# Allegro board NewTMR-March-2-2026.brd (continued)
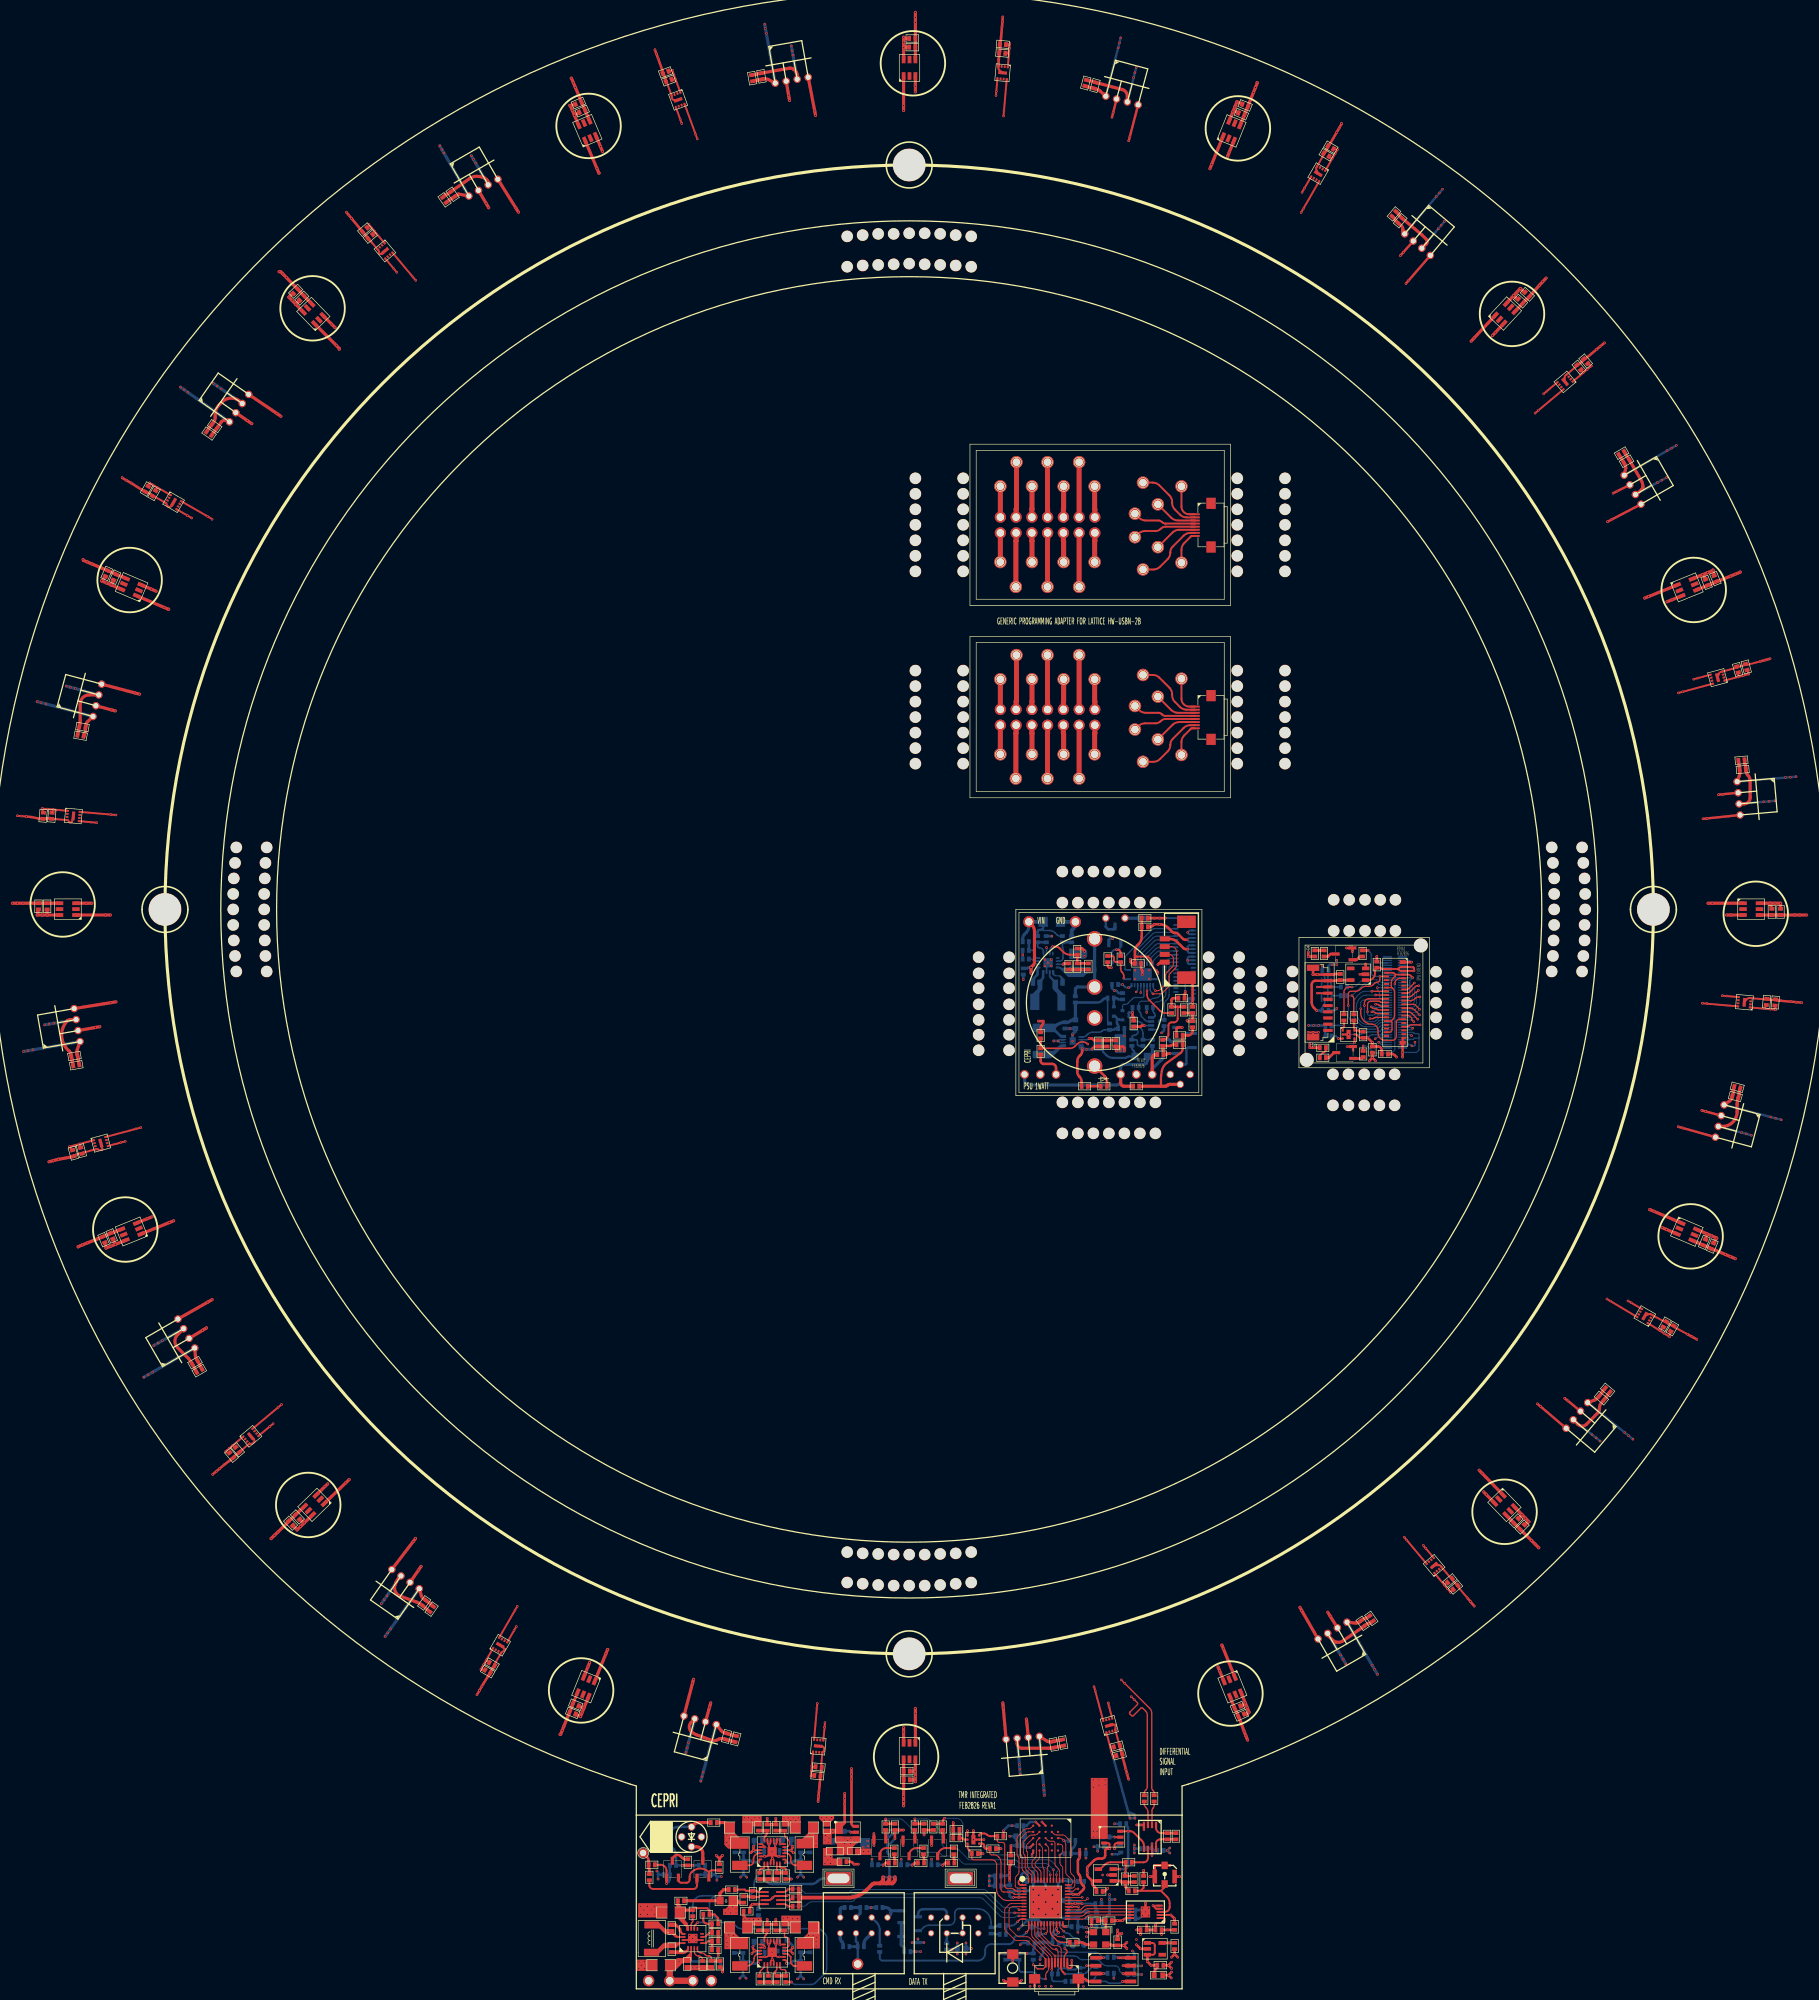
[diagram p0: board, top side]
## Placement (name value [footprint] x y rotation side) (continued)
NOREF#145  -  [unnamed]  151.6 162.5 0 top
NOREF#146  -  [unnamed]  165.1 136.7 0 top
NOREF#147  -  [unnamed]  244 182.8 0 top
NOREF#148  -  [unnamed]  188.7 155 0 top
NOREF#149  -  [unnamed]  135.4 63.9 0 top
NOREF#150  -  [unnamed]  141.4 198.8 0 top
NOREF#151  -  [unnamed]  248.9 182.8 0 top
NOREF#152  -  [unnamed]  36.5 167.8 0 top
NOREF#153  -  [unnamed]  193.6 162.5 0 top
NOREF#154  -  [unnamed]  177.6 141.7 0 top
NOREF#155  -  [unnamed]  197.2 157.8 0 top
NOREF#156  -  [unnamed]  141.4 237.3 0 top
NOREF#157  -  [unnamed]  36.5 177.8 0 top
NOREF#158  -  [unnamed]  132.9 281.5 0 top
NOREF#159  -  [unnamed]  188.7 157.5 0 top
NOREF#160  -  [unnamed]  201 196.3 0 top
NOREF#161  -  [unnamed]  140.4 276.9 0 top
NOREF#162  -  [unnamed]  147.9 281.5 0 top
NOREF#163  -  [unnamed]  193.6 155 0 top
NOREF#164  -  [unnamed]  197.2 152.8 0 top
NOREF#165  -  [unnamed]  167.6 173.9 0 top
NOREF#166  -  [unnamed]  36.4 175.3 0 top
NOREF#167  -  [unnamed]  130.4 281.3 0 top
NOREF#168  -  [unnamed#2]  260.4 172.8 0 top
NOREF#169  -  [unnamed]  202.2 160.3 0 top
NOREF#170  -  [unnamed]  156.5 155 0 top
NOREF#171  -  [unnamed]  213.9 174.35 0 top
NOREF#172  -  [unnamed#3]  204.5 148.55 0 top
NOREF#173  -  [unnamed]  130.4 276.4 0 top
NOREF#174  -  [unnamed]  249.3 170.3 0 top
NOREF#175  -  [unnamed]  193.3 198.8 0 top
NOREF#176  -  [unnamed]  135.4 276.7 0 top
NOREF#177  -  [unnamed]  31.4 170.3 0 top
NOREF#178  -  [unnamed]  208.85 174.35 0 top
NOREF#179  -  [unnamed]  188.7 152.6 0 top
NOREF#180  -  [unnamed]  167.6 136.7 0 top
NOREF#181  -  [unnamed]  225.35 157.75 0 top
NOREF#182  -  [unnamed]  149.1 237.3 0 top
NOREF#183  -  [unnamed]  141.4 232.3 0 top
NOREF#184  -  [unnamed]  141.4 242.3 0 top
NOREF#185  -  [unnamed]  225.35 160.25 0 top
NOREF#186  -  [unnamed]  142.9 63.8 0 top
NOREF#187  -  [unnamed]  216.23 146.22 0 top
NOREF#188  -  [unnamed]  211.35 169.35 0 top
NOREF#189  -  [unnamed]  180.1 141.7 0 top
NOREF#190  -  [unnamed]  149.1 198.8 0 top
NOREF#191  -  [unnamed]  193.3 239.8 0 top
NOREF#192  -  [unnamed]  230.35 162.75 0 top
NOREF#193  -  [unnamed]  165.1 141.7 0 top
NOREF#194  -  [unnamed#2]  140.4 292.8 0 top
NOREF#195  -  [unnamed]  193.3 227.3 0 top
NOREF#196  -  [unnamed]  193.3 211.3 0 top
NOREF#197  -  [unnamed]  137.9 281.7 0 top
NOREF#198  -  [unnamed]  156.5 160.1 0 top
NOREF#199  -  [unnamed]  244.3 167.8 0 top
NOREF#200  -  [unnamed]  36.4 170.3 0 top
NOREF#201  -  [unnamed]  249.3 167.8 0 top
NOREF#202  -  [unnamed]  156.5 165.1 0 top
NOREF#203  -  [unnamed]  170.1 136.7 0 top
NOREF#204  -  [unnamed]  167.6 141.7 0 top
NOREF#205  -  [unnamed]  145.4 68.9 0 top
NOREF#206  -  [unnamed#2]  140.4 52.8 0 top
NOREF#207  -  [unnamed]  188.7 165.1 0 top
NOREF#208  -  [unnamed]  31.5 167.8 0 top
NOREF#209  -  [unnamed]  208.85 169.35 0 top
NOREF#210  -  [unnamed]  149.1 229.8 0 top
NOREF#211  -  [unnamed]  218.8 169.35 0 top
NOREF#212  -  [unnamed]  31.9 182.8 0 top
NOREF#213  -  [unnamed]  130.4 64.3 0 top
NOREF#214  -  [unnamed]  248.9 162.8 0 top
NOREF#215  -  [unnamed]  193.3 234.8 0 top
NOREF#216  -  [unnamed]  172.6 136.7 0 top
NOREF#217  -  [unnamed]  149.1 242.3 0 top
NOREF#218  -  [unnamed]  211.23 141.22 0 top
NOREF#219  -  [unnamed]  156.5 150.1 0 top
NOREF#220  -  [unnamed]  132.9 69 0 top
NOREF#221  -  [unnamed]  147.9 64.1 0 top
NOREF#222  -  [unnamed]  201 211.3 0 top
NOREF#223  -  [unnamed]  145.4 276.7 0 top
NOREF#224  -  [unnamed]  135.4 281.7 0 top
NOREF#225  -  [unnamed]  218.68 146.22 0 top
NOREF#226  -  [unnamed]  36.6 180.3 0 top
NOREF#227  -  [unnamed]  213.78 141.22 0 top
NOREF#228  -  [unnamed]  36.8 182.8 0 top
NOREF#229  -  [unnamed]  225.35 162.75 0 top
NOREF#230  -  [unnamed]  193.6 150.1 0 top
NOREF#231  -  [unnamed#4]  217.52 165.06 270 bottom
NOREF#232  -  [unnamed#4]  219.94 150.52 270 bottom
NOREF#233  -  [unnamed#4]  219.94 165.06 270 bottom
NOREF#234  -  [unnamed#4]  217.52 150.52 270 bottom
Q1  MMBT2222ALT1G  [SOT-23-3]  137.1 23.3 180 top
Q2  MMBT2222ALT1G  [SOT-23-3]  141.8 23.3 180 top
Q3  MMBT2222ALT1G  [SOT-23-3]  146.4 23.3 180 top
Q4  BFR93AWH6327  [SOT23-3]  100.8 16.3 0 top
Q5  BFR93AWH6327  [SOT23-3]  105.7 16.3 0 top
Q6  BFR93AWH6327  [SOT23-3]  142.25 8.65 270 bottom
Q7  T2N7002BK  [SOT23-3]  138.7 9 90 bottom
Q8  BFR93AWH6327  [SOT23-3]  186.6 155.2 270 bottom
Q9  BFR93AWH6327  [SOT23-3]  183 149.1 90 bottom
Q10  T2N7002BK  [SOT23-3]  175 166.9 180 bottom
Q11  MMBT2222ALT1G  [SOT-23-3]  212.3 164.2 90 top
Q12  MMBT2222ALT1G  [SOT-23-3]  212.4 148.3 90 top
R1  0R  [R0402_SMT]  178.3 30 270 top
R2  0R  [R0402_SMT]  179.9 30 270 top
R3  0R  [R0402_SMT]  109.4 25.6 180 top
R4  1K  [R0402_SMT]  136.6 25.4 270 top
R5  6.8K  [R0402_SMT]  138.1 25.4 270 top
R6  1K  [R0402_SMT]  141.3 25.4 270 top
R7  6.8K  [R0402_SMT]  142.8 25.4 270 top
R8  6.8K  [R0402_SMT]  144.3 25.4 270 top
R9  1K  [R0402_SMT]  145.8 25.4 270 top
R10  10R  [R0402_SMT]  117.5 24.29 90 top
R11  0R  [R0402_SMT]  118.9 25.3 270 top
R12  DNP  [R0402_SMT]  120.3 24.29 90 top
R13  0R  [R0402_SMT]  127.1 25.3 270 top
R14  10K  [R0402_SMT]  154.6 23.4 0 top
R15  DNI  [R0402_SMT]  182 22.9 90 top
R16  DNI  [R0402_SMT]  183.4 22.9 90 top
R17  10K  [R0402_SMT]  153.4 21.4 0 top
R18  20K  [R0402_SMT]  138 21.5 270 top
R19  20K  [R0402_SMT]  142.7 21.5 270 top
R20  20K  [R0402_SMT]  147.6 21.5 270 top
R21  10K  [R0402_SMT]  150.5 20.6 0 top
R22  DNI  [R0402_SMT]  104.7 18.7 90 top
R23  20K  [R0402_SMT]  175.3 19.2 0 top
R24  DNI  [R0402_SMT]  98.4 18.8 0 top
R25  0R  [R0402_SMT]  109.8 17.9 90 top
R26  10K  [R0402_SMT]  116.3 17.5 270 top
R27  10K  [R0402_SMT]  117.7 17.5 270 top
R28  DNI  [R0402_SMT]  119.1 17.5 270 top
R29  0R  [R0402_SMT]  120.5 17.5 270 top
R30  510  [R0402_SMT]  98.5 17.3 270 top
R31  120K  [R0402_SMT]  175.2 16 90 top
R32  10K  [R0402_SMT]  121.6 14.9 0 top
R33  68R  [R0402_SMT]  112.3 14.8 180 top
R34  20R  [R0402_SMT]  175.8 14.6 0 top
R35  10K  [R0402_SMT]  121.6 13.5 0 top
R36  68R  [R0402_SMT]  113.7 13.7 270 top
R37  160mR  [R0805_SMT]  109.9 13 0 top
R38  0R  [R0402_SMT]  104.1 13 180 top
R39  10K  [R0402_SMT]  121.6 12.1 0 top
R40  100K  [R0402_SMT]  105.5 11.5 270 top
R41  0R  [R0402_SMT]  172.1 9.8 0 top
R42  DNP  [R0402_SMT]  170.8 9.8 180 top
R43  470K  [R0402_SMT]  109.6 9.3 180 top
R44  10R  [R0402_SMT]  117.5 8.2 90 top
R45  0R  [R0402_SMT]  118.9 9.21 270 top
R46  DNP  [R0402_SMT]  120.3 8.2 90 top
R47  143K  [R0402_SMT]  108.6 7.9 0 top
R48  110K  [R0402_SMT]  108.6 6.5 0 top
R49  33R  [R0402_SMT]  166.3 6.3 0 top
R50  470K  [R0402_SMT]  109.6 5.1 180 top
R51  432K  [R0402_SMT]  108.5 3.31 270 top
R52  1M  [R0402_SMT]  109.9 2.31 90 top
R53  10K  [R0402_SMT]  116.3 0.9 270 top
R54  10K  [R0402_SMT]  117.7 0.9 270 top
R55  DNI  [R0402_SMT]  119.1 0.9 270 top
R56  0R  [R0402_SMT]  120.5 0.9 270 top
R57  4.7K  [R0402_SMT]  166.2 22.7 0 bottom
R58  120K  [R0402_SMT]  122.9 20.8 90 bottom
R59  154K  [R0402_SMT]  113.7 20.8 90 bottom
R60  4.7K  [R0402_SMT]  165.5 20.6 0 bottom
R61  48K  [R0402_SMT]  122.9 18.5 90 bottom
R62  49.9K  [R0402_SMT]  113.7 18.5 90 bottom
R63  DNI  [R0402_SMT]  106.5 18.71 0 bottom
R64  DNI  [R0402_SMT]  102.8 18.7 180 bottom
R65  DNI  [R0402_SMT]  107.5 17.21 0 bottom
R66  DNI  [R0402_SMT]  101.8 17.2 180 bottom
R67  220R  [R0402_SMT]  139.6 4.8 0 bottom
R68  100R  [R0402_SMT]  169.1 11.2 270 bottom
R69  3K  [R0402_SMT]  156 9 180 bottom
R70  0R  [R0402_SMT]  153.6 7.7 90 bottom
R71  0R  [R0402_SMT]  108.6 6.5 0 bottom
R72  49.9K  [R0402_SMT]  122.9 4.7 90 bottom
R73  124K  [R0402_SMT]  113.6 4.6 90 bottom
R74  DNI  [R0402_SMT]  109.6 5.1 180 bottom
R75  2.2K  [R0402_SMT]  160.4 4.5 270 bottom
R76  10K  [R0402_SMT]  158.1 4.5 270 bottom
R77  2K  [R0402_SMT]  133.1 5.6 180 bottom
R78  10K  [R0402_SMT]  172.4 3.91 0 bottom
R79  51R  [R0402_SMT]  146.45 5.15 90 bottom
R80  1K  [R0402_SMT]  135.65 5.75 270 bottom
R81  100K  [R0402_SMT]  122.9 2.3 90 bottom
R82  100K  [R0402_SMT]  113.6 2.2 90 bottom
R83  10K  [R0402_SMT]  175.7 2.5 0 bottom
R84  0R  [R0402_SMT]  170.5 1.3 90 bottom
R85  DNI  [R0402_SMT]  167.9 1.2 90 bottom
R86  10K  [R0402_SMT]  172.4 1.3 0 bottom
R87  0R  [R0402_SMT]  163.4 1.2 0 bottom
R88  10K  [R0402_SMT]  175.7 1.1 0 bottom
R89  DNI  [R0402_SMT]  166.6 0 180 bottom
R90  10K  [R0402_SMT]  179.7 157 180 bottom
R91  0R  [R0402_SMT]  170.3 163.1 180 bottom
R92  0  [R0402_SMT]  167.2 157.8 90 bottom
R93  10K  [R0402_SMT]  177.4 157 180 bottom
R94  10K  [R0402_SMT]  181.5 155 270 bottom
R95  68R  [R0402_SMT]  176.3 151.8 270 bottom
R96  DNI  [R0402_SMT]  165.1 168.5 270 bottom
R97  470K  [R0402_SMT]  161.1 168.5 270 bottom
R98  1M  [R0402_SMT]  158.7 167.6 0 bottom
R99  470K  [R0402_SMT]  167.5 163.1 90 top
R100  DNI  [R0402_SMT]  161.6 152 90 top
R101  10K  [R0402_SMT]  172.4 158.5 0 bottom
R102  1M  [R0402_SMT]  172.3 151.7 270 top
R103  160mR  [R0805_SMT]  176.8 149.1 0 bottom
R104  DNI  [R0402_SMT]  172.7 153.4 90 bottom
R105  20K  [R0402_SMT]  169.2 144.3 180 top
R106  143K  [R0402_SMT]  167.5 165.5 90 top
R107  100K  [R0402_SMT]  166.1 163.1 90 top
R108  0  [R0402_SMT]  161.6 149.4 90 top
R109  0R  [R0402_SMT]  166.6 167.5 90 bottom
R110  110K  [R0402_SMT]  162.5 167.5 90 bottom
R111  432K  [R0402_SMT]  159.7 166.2 180 bottom
R112  68R  [R0402_SMT]  179.6 151.8 270 bottom
R113  4.3K  [R0402_SMT]  174.8 158.3 90 bottom
R114  100K  [R0402_SMT]  175.1 153.6 180 bottom
R115  309K  [R0402_SMT]  173.7 150.7 90 top
R116  0R  [R0402_SMT]  176.5 144.3 0 top
R117  DNI  [R0402_SMT]  186.1 153.8 90 top
R118  DNI  [R0402_SMT]  184.5 152.5 180 top
R119  DNI  [R0402_SMT]  184.5 151 180 top
R120  DNI  [R0402_SMT]  182.7 156.1 90 top
R121  DNI  [R0402_SMT]  184.7 157.1 270 top
R122  510  [R0402_SMT]  181.3 150.8 90 top
R123  DNI  [R0402_SMT]  184.8 158.5 180 top
R124  DNI  [R0402_SMT]  186.1 156.1 90 top
R125  DNI  [R0402_SMT]  181.4 149.4 180 top
R126  0R  [R0402_SMT]  181.3 151.8 270 bottom
R127  20R  [R0402_SMT]  177.5 171.4 0 bottom
R128  470R  [R0402_SMT]  174.5 165.3 270 top
R129  0R  [R0402_SMT]  173 165.3 270 bottom
R130  0R  [R0402_SMT]  177.9 170 0 top
R131  DNI  [R0402_SMT]  177.9 171.4 0 top
R132  20K  [R0402_SMT]  207.3 165.2 90 top
R133  20K  [R0402_SMT]  207.6 148.9 180 top
R134  1K  [R0402_SMT]  213.5 166.21 270 top
R135  10K  [R0402_SMT]  208.5 154.1 180 bottom
R136  10K  [R0402_SMT]  208.5 152.4 180 bottom
R137  1K  [R0402_SMT]  213.6 150 270 top
R138  10K  [R0402_SMT]  213.6 153.1 270 top
R139  0R  [R0402_SMT]  210 158.9 0 bottom
R140  0R  [R0402_SMT]  211.01 160.3 180 bottom
R141  DNI  [R0402_SMT]  212.1 155.9 270 top
R142  DNI  [R0402_SMT]  210.5 155.9 270 top
SW1  SW KEY-SPST  [SW_SMD_2P_L3D9_W3D0_P4D5]  157.1 4.4 270 top
TP1  1  [TP_THR_1D0_1D5]  97.5 20.7 0 top
TP2  Solar Cell V+  [TP_THR_REC_1D5_3D5]  129 16.6 270 top
TP3  Solar Cell V+  [TP_THR_REC_1D5_3D5]  148.7 16.6 270 top
TP4  Solar Cell V-  [TP_THR_1D8_1D2]  98.4 0.1 0 top
TP5  Solar Cell V+  [TP_THR_1D8_1D2]  101.8 0.1 0 top
TP6  Solar Cell V+  [TP_THR_1D8_1D2]  105.5 0.1 0 top
TP7  Solar Cell V-  [TP_THR_1D8_1D2]  108.5 0.1 0 top
TP8  T POINT R  [TP_SMD_1D0_NP]  160.1 8.8 180 bottom
TP9  T POINT R  [TP_SMD_1D0_NP]  161.2 7.6 180 bottom
TP10  T POINT R  [TP_SMD_1D0_NP]  168.6 5.9 180 bottom
TP11  T POINT R  [TP_SMD_1D0_NP]  166.8 5.8 180 bottom
TP12  RSSI  [TP_THR_1D8_1D2]  132.1 2.8 180 bottom
TP13  Solar Cell V+  [TP_THR_1D8_1D2]  159.7 170.8 0 top
TP14  Solar Cell V-  [TP_THR_1D8_1D2]  167.2 170.8 0 top
TP15  T POINT A  [TP_THR_CIR_0D8_1D2]  175.2 171.4 0 top
TP16  T POINT A  [TP_THR_CIR_0D8_1D2]  172.1 171.4 0 top
TP17  T POINT R  [TP_THR_CIR_2D0_1D2]  155.1 209.9 0 top
TP18  T POINT R  [TP_THR_CIR_2D0_1D2]  157.7 213.8 0 top
TP19  T POINT R  [TP_THR_CIR_2D0_1D2]  160.2 209.9 0 top
TP20  T POINT R  [TP_THR_CIR_2D0_1D2]  162.7 213.8 0 top
TP21  T POINT R  [TP_THR_CIR_2D0_1D2]  165.3 209.9 0 top
TP22  T POINT R  [TP_THR_CIR_2D0_1D2]  167.8 213.8 0 top
TP23  T POINT R  [TP_THR_CIR_2D0_1D2]  170.3 209.9 0 top
TP24  T POINT R  [TP_THR_CIR_2D0_1D2]  170.3 197.8 0 top
TP25  T POINT R  [TP_THR_CIR_2D0_1D2]  167.8 193.9 0 top
TP26  T POINT R  [TP_THR_CIR_2D0_1D2]  165.3 197.8 0 top
TP27  T POINT R  [TP_THR_CIR_2D0_1D2]  162.7 193.9 0 top
TP28  T POINT R  [TP_THR_CIR_2D0_1D2]  160.2 197.8 0 top
TP29  T POINT R  [TP_THR_CIR_2D0_1D2]  157.6 193.9 0 top
TP30  T POINT R  [TP_THR_CIR_2D0_1D2]  155.1 197.8 0 top
TP31  T POINT R  [TP_THR_CIR_2D0_1D2]  184.3 210 0 top
TP32  T POINT R  [TP_THR_CIR_2D0_1D2]  178.1 210.6 0 top
TP33  T POINT R  [TP_THR_CIR_2D0_1D2]  180.5 207.1 0 top
TP34  T POINT R  [TP_THR_CIR_2D0_1D2]  176.8 205.6 0 top
TP35  T POINT R  [TP_THR_CIR_2D0_1D2]  176.8 201.8 0 top
TP36  T POINT R  [TP_THR_CIR_2D0_1D2]  180.5 200.2 0 top
TP37  T POINT R  [TP_THR_CIR_2D0_1D2]  178.1 196.6 0 top
TP38  T POINT R  [TP_THR_CIR_2D0_1D2]  184.3 197.7 0 top
TP39  T POINT R  [TP_THR_CIR_2D0_1D2]  155.1 241 0 top
TP40  T POINT R  [TP_THR_CIR_2D0_1D2]  155.1 228.8 0 top
TP41  T POINT R  [TP_THR_CIR_2D0_1D2]  184.3 241 0 top
TP42  T POINT R  [TP_THR_CIR_2D0_1D2]  157.7 244.9 0 top
TP43  T POINT R  [TP_THR_CIR_2D0_1D2]  157.6 224.8 0 top
TP44  T POINT R  [TP_THR_CIR_2D0_1D2]  178.1 241.6 0 top
TP45  T POINT R  [TP_THR_CIR_2D0_1D2]  160.2 241 0 top
TP46  T POINT R  [TP_THR_CIR_2D0_1D2]  160.2 228.8 0 top
TP47  T POINT R  [TP_THR_CIR_2D0_1D2]  180.5 238.1 0 top
TP48  T POINT R  [TP_THR_CIR_2D0_1D2]  162.7 244.9 0 top
TP49  T POINT R  [TP_THR_CIR_2D0_1D2]  162.7 224.8 0 top
TP50  T POINT R  [TP_THR_CIR_2D0_1D2]  176.8 236.6 0 top
TP51  T POINT R  [TP_THR_CIR_2D0_1D2]  165.3 241 0 top
TP52  T POINT R  [TP_THR_CIR_2D0_1D2]  165.3 228.8 0 top
TP53  T POINT R  [TP_THR_CIR_2D0_1D2]  176.8 232.8 0 top
TP54  T POINT R  [TP_THR_CIR_2D0_1D2]  167.8 244.9 0 top
TP55  T POINT R  [TP_THR_CIR_2D0_1D2]  167.8 224.8 0 top
TP56  T POINT R  [TP_THR_CIR_2D0_1D2]  180.5 231.2 0 top
TP57  T POINT R  [TP_THR_CIR_2D0_1D2]  170.3 241 0 top
TP58  T POINT R  [TP_THR_CIR_2D0_1D2]  170.3 228.8 0 top
TP59  T POINT R  [TP_THR_CIR_2D0_1D2]  178.1 227.6 0 top
TP60  T POINT R  [TP_THR_CIR_2D0_1D2]  184.3 228.7 0 top
U1  CT100LW-HS6-M  [TSOT-23-6]  139.5 309.8 0 top
U2  Magic2956  [DFN8L]  156.3 308.6 265 top
U3  Magic7001  [SSIP4L]  118.8 306 10 top
U4  Magic2956  [DFN8L]  103.5 304.5 290 top
U5  Magic7001  [SSIP4L]  172.1 303.9 345 top
U6  CT100LW-HS6-M  [TSOT-23-6#2]  87.1 299.2 23 top
U7  CT100LW-HS6-M  [TSOT-23-6]  192 299.9 338 top
U8  Magic2956  [DFN8L]  207.5 291.9 240 top
U9  Magic7001  [SSIP4L]  69.4 287.8 30 top
U10  Magic7001  [SSIP4L]  220.3 281.7 320 top
U11  Magic2956  [DFN8L]  55.8 280.2 310 top
U12  CT100LW-HS6-M  [TSOT-23-6]  236.7 270.5 317 top
U13  CT100LW-HS6-M  [TSOT-23-6]  42.7 269.1 44 top
U14  Magic2956  [DFN8L]  247.4 257.9 220 top
U15  Magic7001  [SSIP4L]  30.8 251.4 55 top
U16  Magic7001  [SSIP4L]  255.7 242.8 300 top
U17  Magic2956  [DFN8L]  21.3 239.6 330 top
U18  CT100LW-HS6-M  [TSOT-23-6#2]  13.4 224.4 67 top
U19  CT100LW-HS6-M  [TSOT-23-6]  266.7 226.1 292 top
U20  Magic2956  [DFN8L]  271.9 209.7 195 top
U21  Magic7001  [SSIP4L]  8.8 203.9 75 top
U22  Magic7001  [SSIP4L]  273.9 193.4 275 top
U23  Magic2956  [DFN8L]  4.7 188.7 355 top
U24  CT100LW-HS6-M  [TSOT-23-6]  3.4 171.9 90 top
U25  CT100LW-HS6-M  [TSOT-23-6]  277.5 173.8 270 top
U26  Magic2956  [DFN8L]  276 157 175 top
U27  Magic7001  [SSIP4L]  6.7 151.5 100 top
U28  Magic7001  [SSIP4L]  271.8 141.3 255 top
U29  Magic2956  [DFN8L]  8.9 135.6 15 top
U30  CT100LW-HS6-M  [TSOT-23-6]  14.1 119.5 112 top
U31  CT100LW-HS6-M  [TSOT-23-6#2]  267.4 121.2 247 top
U32  Magic2956  [DFN8L]  259.5 106.1 150 top
U33  Magic7001  [SSIP4L]  25.2 102.1 120 top
U34  Magic7001  [SSIP4L]  249.8 93.3 230 top
U35  Magic2956  [DFN8L]  33 87.8 40 top
U36  CT100LW-HS6-M  [TSOT-23-6]  44.2 75.2 134 top
U37  CT100LW-HS6-M  [TSOT-23-6]  238 76.5 224 top
U38  Magic2956  [DFN8L]  225.1 65.8 130 top
U39  Magic7001  [SSIP4L]  61.4 63.3 145 top
U40  Magic7001  [SSIP4L]  211 57.9 210 top
U41  Magic2956  [DFN8L]  73.3 53.7 60 top
U42  CT100LW-HS6-M  [TSOT-23-6]  88.7 45.9 158 top
U43  CT100LW-HS6-M  [TSOT-23-6]  193.9 46.6 202 top
U44  Magic7001  [SSIP4L]  109.3 41.4 165 top
U45  Magic2956  [DFN8L]  172.2 40.1 105 top
U46  Magic7001  [SSIP4L]  161.4 39.5 185 top
U47  Magic2956  [DFN8L]  124.9 37 85 top
U48  CT100LW-HS6-M  [TSOT-23-6]  141.4 35.8 180 top
U49  REF35250QDBVR  [SOT-23-6]  129.2 25 0 top
U50  REF35125QDBVR  [SOT-23-6]  171.85 24.2 0 top
U51  INA333AIDGKR  [MSOP-8]  180.2 21.6 180 top
U52  APS25608N-OBR-BD  [BGA-24]  164.4 25.1 270 top
U53  TMP117  [WDFN-6-EP-2X2]  151.8 23.9 180 top
U54  MAX20416ATGD/V+  [TQFN-24]  118.3 20.9 0 top
U55  OPA320AIDBVR  [SOT-23-5]  173.3 16.2 180 top
U56  INA236AIDDFR  [SOT-23-8]  117.1 14.4 0 top
U57  iCE40UP5K- SG48  [QFN-48]  162.41 12.8 0 top
U58  AD7988-5  [MSOP-10]  178.5 11.2 90 top
U59  LTC3129EUD  [QFN-16-3X3]  105.5 6.91 90 top
U60  TPS70925DBVR  [SOT-23-5]  178.8 6.2 0 top
U61  MAX20416ATGD/V+  [TQFN-24]  118.3 4.7 0 top
U62  W25Q64JWSSIQ  [SOIC-8]  170.5 3.8 0 top
U63  LTC3129EUD  [QFN-16-3X3]  162.8 164.2 0 bottom
U64  LTC3539EDCB-2#TRPBF  [DFN-8]  168.1 150.9 90 bottom
U65  INA236AIDDFR  [TSOT-23-8]  178 154.4 0 bottom
U66  TXS0108ERGYR  [VQFN-20]  178 162.3 0 bottom
U67  TMP117  [WDFN-6-EP-2X2]  210.2 151.6 0 top
U68  TPS76933DBVR  [SOT-23-5]  214 161.4 180 top
U69  TXS0102DCUR  [VSSOP-8]  206.9 161.4 270 bottom
Y1  12.0MHz  [SMD2520-4P]  171.1 6.9 180 top

## Library data of the parts
C1-C96 C100-C107 C112 C117 C118 C120 C125 C127-C130 C132 C133 C135-C137 C140 C141 C144-C156 C158-C161 C163-C165 C169-C171 C176 C177 C180 C186 C194-C202 = CAP NP
C97 C98 C110 C114 C115 C124 C183 C184 C190 = CAP NP: signal model: DEFAULT_CAPACITOR_2.2e+07pF_2_1
C99 C111 C113 C116 C119 C121 C123 C126 C131 C134 C138 C139 C142 C143 C157 C162 C166-C168 C172-C175 C178 C179 C181 C182 C185 C187 C192 = CAP NP: signal model: DEFAULT_CAPACITOR_1e+07pF_2_1
C108 C109 C122 C189 C191 C193 = CAP NP: signal model: DEFAULT_CAPACITOR_33.000000pF_2_1
C188 = SuperCapacitor
D1-D3 D7 D10 D11 = LED
D4 = AFBR-2418TZ
D5 = HFBR-1414TZ-TX
D6 D8 D9 = DIODE
FB1 FB2 L1 L8 = INDUCTOR
J1 = IPEX
J2 J8 J10 = CONN-1X8
J3 = FH35C-39S-0DSHW
J4 J5 = CONN-1X3P
J6 = SIP-1x4
J7 J9 = HEADER_2X7P
J11 = Header2x35
J12 = FPC_39
J13 = Connector_1x10P
L2-L7 L9 L10 = INDUCTOR: signal model: DEFAULT_INDUCTOR_4700nH_2_1
LD1 LD2 = LaserDiode_0
Q1-Q3 Q11 Q12 = MMBT2222AL
Q4-Q6 Q8 Q9 = 2SC1815
Q7 Q10 = MOSFET N_0
R1 R2 R4-R9 R13-R21 R23 R31-R37 R39 R57 R60 R68-R70 R75 R76 R78 R83-R90 R92-R95 R103 R105 R112 R130-R133 R135 R136 R138-R142 = R
R3 R22 R25 R67 R77 R79 R80 R116 R118 R126-R129 = R: signal model: DEFAULT_RESISTOR_40.000000OHM_2_1
R10-R12 R26-R29 R38 R40-R56 R58 R59 R61 R62 R71-R74 R81 R82 R91 R96-R101 R104 R106-R111 R113 R114 R134 R137 = R: signal model: DEFAULT_RESISTOR_10000OHM_2_1
R24 R30 R63-R66 R117 R119-R125 = R: signal model: DEFAULT_RESISTOR_510.000000OHM_2_1
R102 = R: signal model: DEFAULT_RESISTOR_0.001OHM_2_1
R115 = R: signal model: DEFAULT_RESISTOR_562000OHM_2_1
SW1 = SW KEY-SPST
TP1-TP7 TP12-TP16 = T POINT A
TP8-TP11 TP17-TP60 = T POINT R
U1 U6 U7 U12 U13 U18 U19 U24 U25 U30 U31 U36 U37 U42 U43 U48 = CT100LW-HS6-M
U2 U4 U8 U11 U14 U17 U20 U23 U26 U29 U32 U35 U38 U41 U45 U47 = Magic2956
U3 U5 U9 U10 U15 U16 U21 U22 U27 U28 U33 U34 U39 U40 U44 U46 = Magic7001
U49 = REF35250QDBVR
U50 = REF35125QDBVR
U51 = INA333AIDGKR
U52 = APS25608N-OBR-BD_2
U53 U67 = TMP117
U54 U61 = MAX20416ATGD/V+
U55 = OPA320AIDBVR
U56 U65 = INA236AIDDFR
U57 = iCE40UP5K- SG48
U58 = AD7988-5
U59 U63 = LTC3129EUD
U60 = TPS70925DBVR
U62 = W25Q64JW
U64 = LTC3539EDCB#PBF
U66 = TXS0108ERGYR
U68 = TPS76933DBVR
U69 = TXS0102DCUR
Y1 = OSCILLATOR

## Footprints (pads in the part's own frame, mm; a bottom-side part is the same pattern mirrored in y, then rotated)
AFBR-2418TZ
  round 1 hole 0.7: 1(0,0) 2(0,-2.54) 3(0,-5.08) 4(0,-7.62) 5(2.54,-7.62) 6(2.54,-5.08) 7(2.54,-2.54) 8(2.54,0)
BGA-24
  round 0.35 smd: A2(1,0) A3(2,0) A4(3,0) A5(4,0) B1(0,-1) B2(1,-1) B3(2,-1) B4(3,-1) B5(4,-1) C1(0,-2) C2(1,-2) C3(2,-2) C4(3,-2) C5(4,-2) D1(0,-3) D2(1,-3) D3(2,-3) D4(3,-3) D5(4,-3) E1(0,-4) E2(1,-4) E3(2,-4) E4(3,-4) E5(4,-4)
C0402_SMT
  rect 0.6x0.8 smd: 1(0,0) 2(1,0)
C0603_SMT
  rect 0.8x0.9 smd: 1(0,0) 2(1.4,0)
C1206
  rect 1.5x1.8 smd: 1(0,0) 2(3.3,0)
C1206_SMT
  rect 1.5x1.6 smd: 1(0.2,0.8) 2(3,0.8)
CONN-1X3P-2D54
  round 1.4 hole 1: 1(0,0) 2(2.54,0) 3(5.08,0)
CONN_1X10P_SH1D0
  rect 0.5x1.5 smd: 1(0,0) 2(1,0) 3(2,0) 4(3,0) 5(4,0) 6(5,0) 7(6,0) 8(7,0) 9(8,0) 10(9,0)
  rect 1x2 smd: 11(-1.1,2.4) 12(10.1,2.4)
DF40C-70DP-0D4V-51
  rect 0.2x1.5 smd: 1(0,-2.42) 2(0,0) 3(0.4,-2.42) 4(0.4,0) 5(0.8,-2.42) 6(0.8,0) 7(1.2,-2.42) 8(1.2,0) 9(1.6,-2.42) 10(1.6,0) 11(2,-2.42) 12(2,0) 13(2.4,-2.42) 14(2.4,0) 15(2.8,-2.42) 16(2.8,0) 17(3.2,-2.42) 18(3.2,0) 19(3.6,-2.42) 20(3.6,0) 21(4,-2.42) 22(4,0) 23(4.4,-2.42) 24(4.4,0) 25(4.8,-2.42) 26(4.8,0) 27(5.2,-2.42) 28(5.2,0) 29(5.6,-2.42) 30(5.6,0) 31(6,-2.42) 32(6,0) 33(6.4,-2.42) 34(6.4,0) 35(6.8,-2.42) 36(6.8,0) 37(7.2,-2.42) 38(7.2,0) 39(7.6,-2.42) 40(7.6,0) 41(8,-2.42) 42(8,0) 43(8.4,-2.42) 44(8.4,0) 45(8.8,-2.42) 46(8.8,0) 47(9.2,-2.42) 48(9.2,0) 49(9.6,-2.42) 50(9.6,0) 51(10,-2.42) 52(10,0) 53(10.4,-2.42) 54(10.4,0) 55(10.8,-2.42) 56(10.8,0) 57(11.2,-2.42) 58(11.2,0) 59(11.6,-2.42) 60(11.6,0) 61(12,-2.42) 62(12,0) 63(12.4,-2.42) 64(12.4,0) 65(12.8,-2.42) 66(12.8,0) 67(13.2,-2.42) 68(13.2,0) 69(13.6,-2.42) 70(13.6,0)
DFN8L
  rect 0.42x0.3 smd: 1(0,0) 2(0,-0.5) 3(0,-1) 4(0,-1.5) 5(2,-1.5) 6(2,-1) 7(2,-0.5) 8(2,0)
  rect 0.5x1.4 smd: 9(1,-0.75)
DFN-8
  rect 0.25x0.8 smd: 1(0,-2.8) 2(0.45,-2.8) 3(0.9,-2.8) 4(1.35,-2.8) 5(1.35,0) 6(0.9,0) 7(0.45,0) 8(0,0)
  rect 1.2x1 smd: 9(0.676,-1.355)
FH35C-39S-0D3SHW
  rect 0.3x0.8 smd: 1(-5.7,0) 2(-5.4,2.8) 3(-5.1,0) 4(-4.8,2.8) 5(-4.5,0) 6(-4.2,2.8) 7(-3.9,0) 8(-3.6,2.8) 9(-3.3,0) 10(-3,2.8) 11(-2.7,0) 12(-2.4,2.8) 13(-2.1,0) 14(-1.8,2.8) 15(-1.5,0) 16(-1.2,2.8) 17(-0.9,0) 18(-0.6,2.8) 19(-0.3,0) 20(0,2.8) 21(0.3,0) 22(0.6,2.8) 23(0.9,0) 24(1.2,2.8) 25(1.5,0) 26(1.8,2.8) 27(2.1,0) 28(2.4,2.8) 29(2.7,0) 30(3,2.8) 31(3.3,0) 32(3.6,2.8) 33(3.9,0) 34(4.2,2.8) 35(4.5,0) 36(4.8,2.8) 37(5.1,0) 38(5.4,2.8) 39(5.7,0)
  rect 0.6x1 smd: 40(6.5,0.2) 41(-6.5,0.2)
FH35C-39S-0D3SHW_REV
  rect 0.3x0.8 smd: 1(5.7,0) 2(5.4,2.8) 3(5.1,0) 4(4.8,2.8) 5(4.5,0) 6(4.2,2.8) 7(3.9,0) 8(3.6,2.8) 9(3.3,0) 10(3,2.8) 11(2.7,0) 12(2.4,2.8) 13(2.1,0) 14(1.8,2.8) 15(1.5,0) 16(1.2,2.8) 17(0.9,0) 18(0.6,2.8) 19(0.3,0) 20(0,2.8) 21(-0.3,0) 22(-0.6,2.8) 23(-0.9,0) 24(-1.2,2.8) 25(-1.5,0) 26(-1.8,2.8) 27(-2.1,0) 28(-2.4,2.8) 29(-2.7,0) 30(-3,2.8) 31(-3.3,0) 32(-3.6,2.8) 33(-3.9,0) 34(-4.2,2.8) 35(-4.5,0) 36(-4.8,2.8) 37(-5.1,0) 38(-5.4,2.8) 39(-5.7,0)
  rect 0.6x1 smd: 40(6.5,0.2) 41(-6.5,0.2)
FPC-0D5-8P
  rect 0.3x1.5 smd: 1(0,0) 2(0.5,0) 3(1,0) 4(1.5,0) 5(2,0) 6(2.5,0) 7(3,0) 8(3.5,0)
  rect 1.8x1.5 smd: 9(-1.767,2.573) 10(5.283,2.573)
HEADER_2X7P_2D54
  round 1.8 hole 1.2: 1(0,-2.54) 2(0,0) 3(2.54,-2.54) 4(2.54,0) 5(5.08,-2.54) 6(5.08,0) 7(7.62,-2.54) 8(7.62,0) 9(10.16,-2.54) 10(10.16,0) 11(12.7,-2.54) 12(12.7,0) 13(15.24,-2.54) 14(15.24,0)
HFBR-1414TZ-TX
  round 1 hole 0.7: 1(0,0) 2(0,-2.54) 3(0,-5.08) 4(0,-7.62) 5(2.54,-7.62) 6(2.54,-5.08) 7(2.54,-2.54) 8(2.54,0)
IND_SMD_4D4X4D2
  rect 1.05x2.2 smd: 1(0,0) 2(4.4,0)
IPEX_SMD_4P
  rect 1x1.2 smd: 1(0,-1.2) 4(0,1.8)
  rect 0.74x2.2 smd: 2(1.6,0) 3(-1.6,0)
L0402
  rect 0.6x0.8 smd: 1(0,0) 2(1,0)
L0402_SMT
  rect 0.6x0.8 smd: 1(0,0) 2(1,0)
L0603_SMT
  rect 0.9x1 smd: 1(0,0) 2(1.6,0)
L1210
  rect 1.5x2.5 smd: 1(0,0) 2(3.5,0)
LD_CIR_THR_4P
  round 1.2 hole 0.9: 1(1.6,0) 2(-1.6,0) 3(0,1.6) 4(0,-1.6)
LED0402_SMT
  rect 0.6x0.8 smd: 1(0,0) 2(1,0)
MSOP-8
  rect 0.35x1 smd: 1(-0.001,-3.615) 2(0.649,-3.615) 3(1.299,-3.615) 4(1.949,-3.615) 5(1.949,0.241) 6(1.299,0.241) 7(0.649,0.241) 8(-0.001,0.241)
MSOP-10
  rect 0.3x1 smd: 1(-0.99,-2.31) 2(-0.49,-2.31) 3(0.01,-2.31) 4(0.51,-2.31) 5(1.01,-2.31) 6(1.01,2.34) 7(0.51,2.34) 8(0.01,2.34) 9(-0.49,2.34) 10(-0.99,2.34)
  rect 1.8x1.5 smd: EPAD(0,0)
QFN-16-3X3
  rect 0.6x0.25 smd: 1(-1.55,0.75) 2(-1.55,0.25) 3(-1.55,-0.25) 4(-1.55,-0.75) 9(1.55,-0.75) 10(1.55,-0.25) 11(1.55,0.25) 12(1.55,0.75)
  rect 0.25x0.6 smd: 5(-0.75,-1.5) 6(-0.25,-1.5) 7(0.25,-1.5) 8(0.75,-1.5) 13(0.75,1.5) 14(0.25,1.5) 15(-0.25,1.5) 16(-0.75,1.5)
  rect 1.5x1.5 smd: 17(0,0)
QFN-48
  rect 0.8x0.25 smd: 1(-3.5,2.748) 2(-3.5,2.248) 3(-3.5,1.748) 4(-3.5,1.248) 5(-3.5,0.748) 6(-3.5,0.248) 7(-3.5,-0.252) 8(-3.5,-0.752) 9(-3.5,-1.252) 10(-3.5,-1.752) 11(-3.5,-2.252) 12(-3.5,-2.752) 25(3.5,-2.764) 26(3.5,-2.264) 27(3.5,-1.764) 28(3.5,-1.264) 29(3.5,-0.764) 30(3.5,-0.264) 31(3.5,0.236) 32(3.5,0.736) 33(3.5,1.236) 34(3.5,1.736) 35(3.5,2.236) 36(3.5,2.736)
  rect 0.25x0.8 smd: 13(-2.748,-3.5) 14(-2.248,-3.5) 15(-1.748,-3.5) 16(-1.248,-3.5) 17(-0.748,-3.5) 18(-0.248,-3.5) 19(0.252,-3.5) 20(0.752,-3.5) 21(1.252,-3.5) 22(1.752,-3.5) 23(2.252,-3.5) 24(2.752,-3.5) 37(2.746,3.5) 38(2.246,3.5) 39(1.746,3.5) 40(1.246,3.5) 41(0.746,3.5) 42(0.246,3.5) 43(-0.254,3.5) 44(-0.754,3.5) 45(-1.254,3.5) 46(-1.754,3.5) 47(-2.254,3.5) 48(-2.754,3.5)
  rect 5x5 smd: 49(0,0)
R0402_SMT
  rect 0.6x0.8 smd: 1(0,0) 2(1,0)
R0805_SMT
  rect 1.14x1.2 smd: 1(0,0) 2(2,0)
SMD2520-4P
  rect 1.2x1 smd: 1(-1,-1.04) 2(1,-1.04) 3(1,0.96) 4(-1,0.96)
SMD-1D25-4P-DEG0
  rect 0.8x1.6 smd: 1(0,0) 2(1.25,0) 3(2.5,0) 4(3.75,0)
  rect 2x3 smd: 5(6.5,-3.5) 6(-2.5,-3.5)
SOD-523
  rect 0.5x0.6 smd: 1(0,0) 2(1.5,0)
SOIC-8
  rect 1.8x0.6 smd: 1(0,0) 2(0,-1.27) 3(0,-2.54) 4(0,-3.81) 5(5.6,-3.81) 6(5.6,-2.54) 7(5.6,-1.27) 8(5.6,0)
SOT23-3
  rect 0.51x1.27 smd: 1(0.476,0.434) 2(2.391,0.434) 3(1.415,3.142)
SOT-23-3
  rect 0.51x1.27 smd: 1(0.476,0.434) 2(2.391,0.434) 3(1.415,3.142)
SOT-23-5
  rect 1.2x0.6 smd: 1(0,0) 2(0,-0.95) 3(0,-1.9) 4(2.4,-1.9) 5(2.4,0)
SOT-23-6
  rect 1x0.5 smd: 1(0,0) 2(0,-0.95) 3(0,-1.9) 4(2.6,-1.9) 5(2.6,-0.95) 6(2.6,0)
SOT-23-8
  rect 1.3x0.3 smd: 1(0,0) 2(0,-0.65) 3(0,-1.3) 4(0,-1.95) 5(2.5,-1.95) 6(2.5,-1.3) 7(2.5,-0.65) 8(2.5,0)
SSIP4L
  round 1.2 hole 0.8: 1(0,0) 2(1.8,0) 3(3.6,0) 4(5.4,0)
SUC_C_5D0_21D5_H_20D5
  round 2.5 hole 1.8: 1(-2.5,0) 2(2.5,0) 3(-10.25,0) 4(10.25,0)
SW_SMD_2P_L3D9_W3D0_P4D5
  rect 1.5x1.8 smd: 1(0,0) 2(4.5,0)
TP_SMD_1D0_NP
  round 1 smd: 1(0,0)
TP_THR_1D0_1D5
  round 1.5 hole 1: 1(0,0)
TP_THR_1D8_1D2
  round 1.8 hole 1.2: 1(0,0)
TP_THR_CIR_0D8_1D2
  round 1.2 hole 0.8: 1(0,0)
TP_THR_CIR_2D0_1D2
  round 2 hole 1.2: 1(0,0)
TP_THR_REC_1D5_3D5
  rect 2x4 hole 1.5x3.5: 1(0,0)
TQFN-24
  rect 0.25x0.6 smd: 1(-1.25,-1.9) 2(-0.75,-1.9) 3(-0.25,-1.9) 4(0.25,-1.9) 5(0.75,-1.9) 6(1.25,-1.9) 13(1.25,1.9) 14(0.75,1.9) 15(0.25,1.9) 16(-0.25,1.9) 17(-0.75,1.9) 18(-1.25,1.9)
  rect 0.6x0.25 smd: 7(1.95,-1.25) 8(1.95,-0.75) 9(1.95,-0.25) 10(1.95,0.25) 11(1.95,0.75) 12(1.95,1.25) 19(-1.9,1.25) 20(-1.9,0.75) 21(-1.9,0.25) 22(-1.9,-0.25) 23(-1.9,-0.75) 24(-1.9,-1.25)
  rect 1.5x1.5 smd: EPAD(0,0)
TSOT-23-6
  rect 0.6x1.2 smd: 1(0,-2.65) 2(0.95,-2.65) 3(1.9,-2.65) 4(1.9,0) 5(0.95,0) 6(0,0)
TSOT-23-6#2
  rect 0.6x1.2 smd: 1(0,-2.65) 2(0.95,-2.65) 3(1.9,-2.65) 4(1.9,0) 5(0.95,0) 6(0,0)
TSOT-23-8
  rect 1x0.4 smd: 1(-1.38,0.97) 2(-1.38,0.32) 3(-1.38,-0.33) 4(-1.38,-0.98) 5(1.42,-0.98) 6(1.42,-0.33) 7(1.42,0.32) 8(1.42,0.97)
unnamed
  round 1.9 hole 1.8 unplated: (0,0)
unnamed#2
  round 5.3 hole 5.2 unplated: (0,0)
unnamed#3
  round 2.3 hole 2.2 unplated: (0,0)
unnamed#4
  rect 0.35x1.5 smd: (0,0)
VQFN-20
  rect 0.68x0.28 smd: 1(-2.157,-0.75) 10(2.158,-0.75) 11(2.158,0.75) 20(-2.157,0.75)
  rect 0.28x0.68 smd: 2(-1.75,-1.7) 3(-1.25,-1.7) 4(-0.75,-1.7) 5(-0.25,-1.7) 6(0.25,-1.7) 7(0.75,-1.7) 8(1.25,-1.7) 9(1.75,-1.7) 12(1.75,1.7) 13(1.25,1.7) 14(0.75,1.7) 15(0.25,1.7) 16(-0.25,1.7) 17(-0.75,1.7) 18(-1.25,1.7) 19(-1.75,1.7)
  rect 3x2 smd: EPAD(0,0)
VSSOP-8
  rect 0.8x0.25 smd: 1(0,0) 2(0,-0.5) 3(0,-1) 4(0,-1.5) 5(3.1,-1.5) 6(3.1,-1) 7(3.1,-0.5) 8(3.1,0)
WDFN-6-EP-2X2
  rect 0.3x0.35 smd: 1(0.1,1.69) 2(0.1,1.04) 3(0.1,0.39) 4(2,0.39) 5(2,1.04) 6(2,1.69)
  rect 0.65x1.5 smd: 7(1.05,1.05)

## Nets
GND: C97.2 C98.2 C99.1 C100.2 C101.2 C103.2 C104.2 C109.1 C110.1 C113.1 C114.2 C115.2 C119.2 C122.2 C123.1 C124.2 C129.2 C131.1 C134.1 C135.2 C142.1 C143.1 C144.2 C145.2 C146.2 C147.2 C148.2 C149.2 C150.2 C151.2 C152.2 C153.2 C154.2 C155.2 C156.2 C157.1 C158.1 C159.2 C160.2 C161.2 C162.1 C163.2 C164.2 C165.2 C167.1 C168.1 C169.2 C170.2 C171.2 C174.1 C175.1 C176.1 C177.2 C178.1 C179.2 D4.1 D4.4 D4.5 D4.7 D4.8 J2.2 J2.9 J2.10 Q1.2(EMITTER) Q2.2(EMITTER) Q3.2(EMITTER) Q6.2(E) Q7.2(SOURCE) R12.2 R13.1 R25.2 R42.2 R46.2 R47.2 R48.2 R51.2 R61.1 R62.1 R65.2 R66.2 R71.2 R77.1 R81.1 R82.1 SW1.2 TP3.1(TP) TP4.1(TP) TP7.1(TP) U52.C1 U52.E5(VSS#E5) U53.2 U53.4 U53.7 U54.3 U54.4 U54.8 U54.12 U54.13 U54.14 U54.15 U54.16 U54.17 U54.19 U54.20 U54.23 U54.EPAD U56.3 U56.7 U57.49 U58.4 U58.5 U58.EPAD U59.6 U59.15 U59.17 U61.3 U61.4 U61.8 U61.12 U61.13 U61.14 U61.15 U61.16 U61.17 U61.19 U61.20 U61.23 U61.EPAD U62.4 Y1.2
GND_FIELD SIGNAL: C180.2 C183.2 C184.1 C186.1 C187.2 C188.2 C188.4 C190.2 C192.1 C193.1 C195.2 C196.2 D7.1(CATHODE) J3.23 J3.25 J3.27 J3.33 J3.35 J3.40 J3.41 J4.3 J5.3 J6.4 J6.5 J6.6 Q10.2(SOURCE) R106.2 R108.1 R109.2 R110.2 R111.2 R113.2 R114.1 R115.1 R124.2 R125.2 R126.2 TP14.1(TP) U63.6 U63.15 U63.17 U64.2 U64.3 U64.9 U65.3 U65.7 U66.11 U66.EPAD
GND_SIGNAL: C1.2 C2.2 C3.2 C4.2 C5.2 C6.2 C7.2 C8.2 C9.2 C10.2 C11.2 C12.2 C13.2 C14.2 C15.2 C16.2 C17.2 C18.2 C19.2 C20.2 C21.2 C22.2 C23.2 C24.2 C25.2 C26.2 C27.2 C28.2 C29.2 C30.2 C31.2 C32.2 C33.2 C34.2 C35.2 C36.2 C37.2 C38.2 C39.2 C40.2 C41.2 C42.2 C43.2 C44.2 C45.2 C46.2 C47.2 C48.2 C49.2 C50.2 C51.2 C52.2 C53.2 C54.2 C55.2 C56.2 C57.2 C58.2 C59.2 C60.2 C61.2 C62.2 C63.2 C64.2 C65.2 C66.2 C67.2 C68.2 C69.2 C70.2 C71.2 C72.2 C73.2 C74.2 C75.2 C76.2 C77.2 C78.2 C79.2 C80.2 C81.2 C82.2 C83.2 C84.2 C85.2 C86.2 C87.2 C88.2 C89.2 C90.2 C91.2 C92.2 C93.2 C94.2 C95.2 C96.2 C102.1 C106.1 C107.2 C112.2 C117.1 C118.1 C120.1 C125.1 C126.1 C127.2 C128.2 C130.2 C132.2 C133.2 C136.2 C137.1 C140.2 C141.1 J1.2 J1.3 J1.4 R13.2 U1.4 U2.4 U2.9 U3.1 U4.4 U4.9 U5.1 U6.4 U7.4 U8.4 U8.9 U9.1 U10.1 U11.4 U11.9 U12.4 U13.4 U14.4 U14.9 U15.1 U16.1 U17.4 U17.9 U18.4 U19.4 U20.4 U20.9 U21.1 U22.1 U23.4 U23.9 U24.4 U25.4 U26.4 U26.9 U27.1 U28.1 U29.4 U29.9 U30.4 U31.4 U32.4 U32.9 U33.1 U34.1 U35.4 U35.9 U36.4 U37.4 U38.4 U38.9 U39.1 U40.1 U41.4 U41.9 U42.4 U43.4 U44.1 U45.4 U45.9 U46.1 U47.4 U47.9 U48.4 U49.1 U49.2 U50.1 U50.2 U51.4 U55.2(V-) U60.2
P1V2: C103.1 C115.1 C149.1 C153.1 C164.1 C172.2 FB1.2 FB2.2 L6.2 R68.2 R72.2
P1V8: C100.1 C101.1 C109.2 C114.1 C119.1 C144.1 C148.1 C150.1 C151.1 C152.1 C158.2 C159.1 C163.1 C169.1 C170.1 C171.1 C173.2 C177.1 J2.1 L5.2 L7.2 R5.2 R7.2 R8.2 R14.2 R17.2 R21.2 R32.2 R35.2 R39.2 R41.2 R57.2 R60.2 R73.2 R75.1 R76.1 R78.2 R83.2 R86.2 R88.2 U53.5(V+) U56.4(VS) U57.1 U57.22 U57.33 U58.10(VIO) U62.8 Y1.4(VCC)
P1V8_CAM: C193.2 J3.29 J3.31 R90.2 R93.2 R94.2 R130.2 U65.4(VS)
P1V8_IO1: J3.36 U66.1
P1V8_IO2: J3.34 U66.3
P1V8_IO3: J3.32 U66.4
P1V8_IO4: J3.30 U66.5
P1V8_IO5: J3.28 U66.6
P1V8_IO6: J3.26 U66.7
P1V8_IO7: J3.24 U66.8
P1V8_IO8: J3.22 U66.9
P2V5A: C112.1 C120.2 U58.2 U60.5(OUT)
P2V8: C98.1 C138.2 D6.2 L3.2 R58.2
P3V3: C97.1 C104.1 C139.2 C145.1 C146.1 C147.1 C157.2 C179.1 D1.2 D2.2 D3.2 L1.1 L2.2 L8.1 R3.1 R59.2 R67.2 R79.1
P3V3_CAM: C195.1 J3.37 J3.39 J6.1 R127.2 R131.2 U66.19(VCCB)
P3V3_IO1: C194.1 R128.2 U66.20
P3V3_IO2: U66.18
P3V3_IO3: U66.17
P3V3_IO4: U66.16
P3V3_IO6: R120.1 U66.14
P3V3_IO7: J6.3 U66.13
P3V3_IO8: J6.2 U66.12
P3V3A: C102.2 C107.1 C125.2 C126.2 C132.1 C133.1 C136.1 C137.2 C140.1 C141.2 L1.2 U49.3 U49.4 U50.3 U50.4 U51.7 U55.5 U60.1 U60.3
P5V0: C131.2 C134.2 C142.2 C143.2 C167.2 C168.2 C174.2 C175.2 R10.2 R11.1 R26.2 R27.2 R28.2 R36.2 R37.2 R44.2 R45.1 R53.2 R54.2 R55.2 TP2.1(TP) U54.10 U54.21 U61.10 U61.21
P5V0_PSU: C189.1 C190.1 R95.2 R102.2 R103.1 R105.2 U64.8(VOUT)
